# Altium PCB OCP-TimeCardMini-TI_V1.PcbDoc (part 4 of 11) (continued)
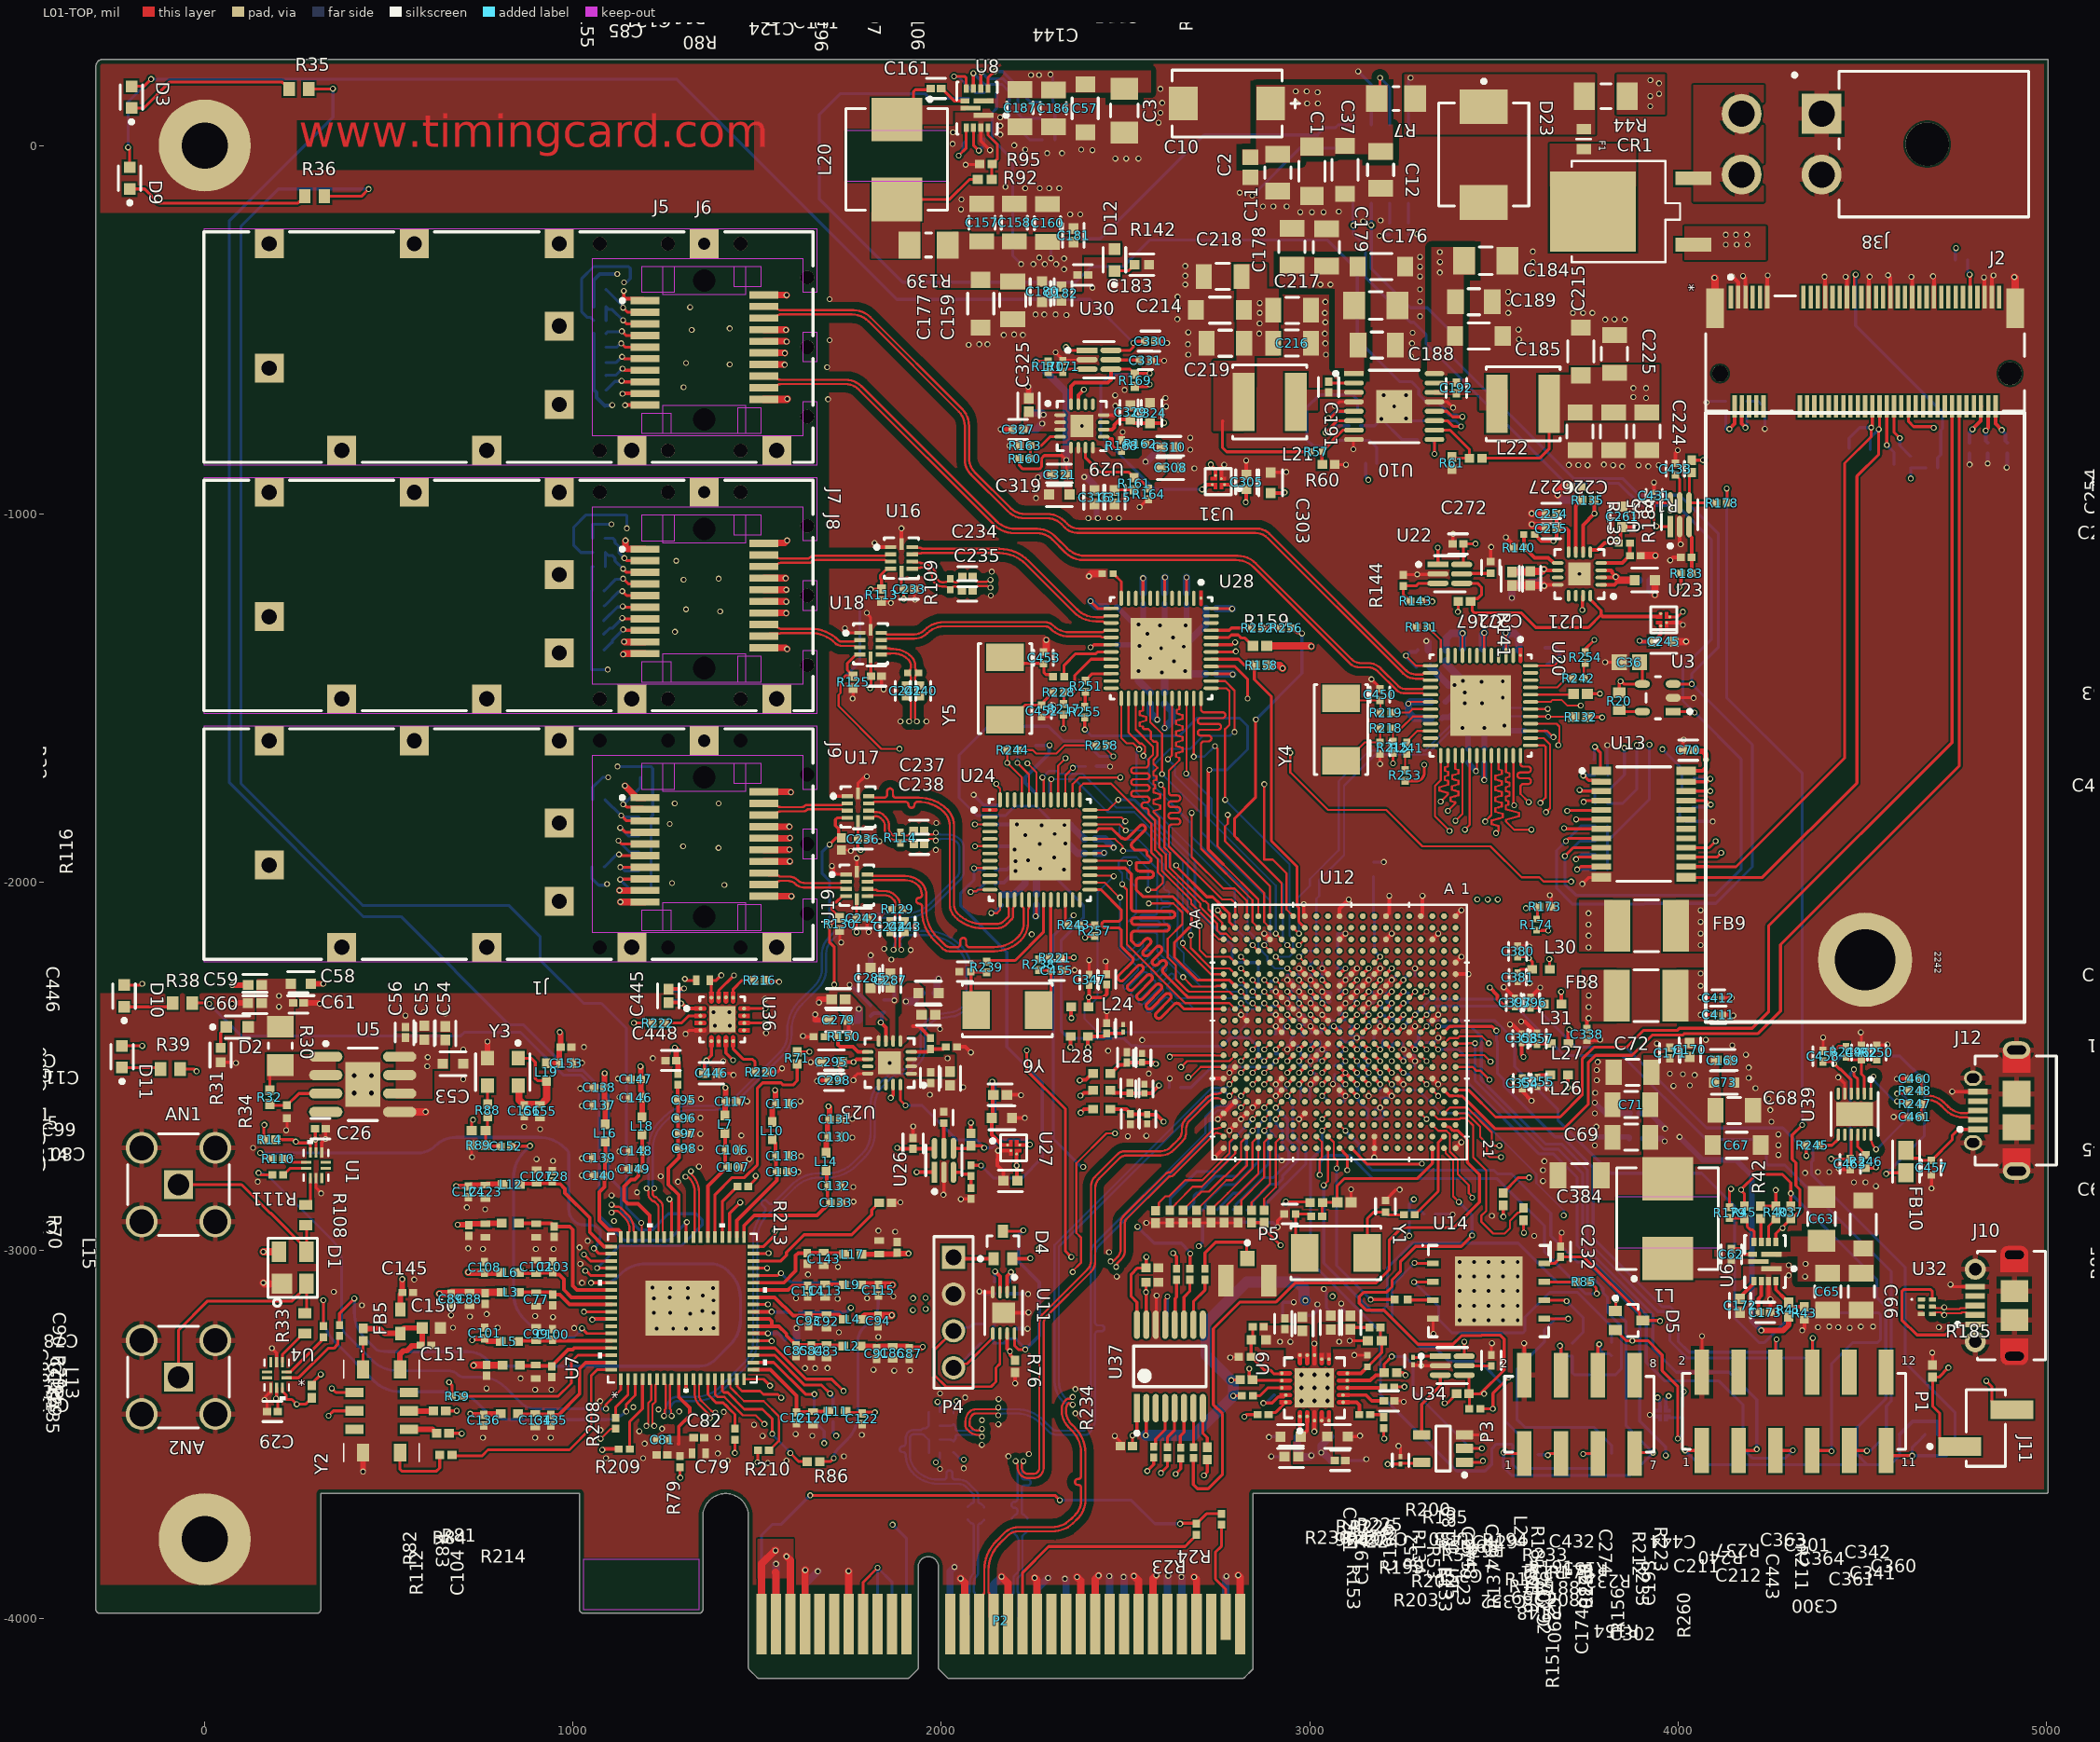
[diagram p0: L01-TOP view]
## Nets (pads, with @x,y where several pads share a name; then routed paths per layer and width w, separated by ;. In a path a pad name is that pad's centre, name@x,y a point inside that pad or via, vN(x,y) a via of type N, cw(c..) or ccw(c..) an arc to the next point about the centre after c; other vN are vias at no path point) (continued)
CPSW_RGMII1_TD3: U12.AA14 U20.25 | length 2276.6
  L01-TOP w5.8: v2(2670.22,-2529.9) 2676.22,-2529.9 2704.32,-2501.8 U12.AA14@2766.26,-2501.8 ; U20.25@3355.67,-1656.36 3355.67,-1723.14 3339.93,-1738.88 3339.93,-1821.13 v1(3379.73,-1860.93)
  L08-SIG w5.8: v2(2670.22,-2529.9) 2646.62,-2529.9 2562.46,-2445.74 2562.46,-2432.16 2561.61,-2431.31 2561.61,-2398.94 2561.61,-2396.04 ccw(c2553.71,-2396.04) 2553.71,-2388.14 2547.33,-2388.14 cw(c2547.33,-2380.24) 2547.33,-2372.34 2553.71,-2372.34 ccw(c2553.71,-2364.44) 2553.71,-2356.54 2547.33,-2356.54 cw(c2547.33,-2348.64) 2547.33,-2340.74 2553.71,-2340.74 ccw(c2553.71,-2332.84) 2553.71,-2324.94 2547.33,-2324.94 cw(c2547.33,-2317.04) 2547.33,-2309.14 2553.71,-2309.14 ccw(c2553.71,-2301.24) 2553.71,-2293.34 2547.33,-2293.34 cw(c2547.33,-2285.44) 2547.33,-2277.54 2553.71,-2277.54 ccw(c2553.71,-2269.64) 2553.71,-2261.74 2547.33,-2261.74 cw(c2547.33,-2253.84) 2547.33,-2245.94 2553.71,-2245.94 ccw(c2553.71,-2238.04) 2553.71,-2230.14 2547.33,-2230.14 cw(c2547.33,-2222.24) 2547.33,-2214.34 2553.71,-2214.34 ccw(c2553.71,-2206.44) 2561.61,-2206.44 2561.61,-2184.11 2562.46,-2183.26 2562.46,-2181.53 2562.46,-2174.03 2950.91,-1785.57 2967.48,-1785.57 2970.38,-1785.57 ccw(c2970.38,-1777.67) 2978.28,-1777.67 2978.28,-1772.15 cw(c2986.18,-1772.15) 2994.08,-1772.15 2994.08,-1785.4 ccw(c3001.98,-1785.4) 3009.88,-1785.4 3009.88,-1773.64 cw(c3017.78,-1773.64) 3025.68,-1773.64 3025.68,-1785.4 ccw(c3033.58,-1785.4) 3041.48,-1785.4 3041.48,-1774.18 cw(c3049.38,-1774.18) 3057.28,-1774.18 3057.28,-1785.4 ccw(c3065.18,-1785.4) 3073.08,-1785.4 3073.08,-1772.15 cw(c3080.98,-1772.15) 3088.88,-1772.15 3088.88,-1785.4 ccw(c3096.78,-1785.4) 3104.68,-1785.4 3104.68,-1773.64 cw(c3112.58,-1773.64) 3120.48,-1773.64 3120.48,-1785.4 ccw(c3128.38,-1785.4) 3136.28,-1785.4 3136.28,-1774.19 cw(c3144.18,-1774.19) 3152.08,-1774.19 3152.08,-1785.4 ccw(c3159.98,-1785.4) 3167.88,-1785.4 3167.88,-1772.15 cw(c3175.78,-1772.15) 3183.68,-1772.15 3183.68,-1785.4 ccw(c3191.58,-1785.4) 3199.48,-1785.4 3199.48,-1771.57 cw(c3207.38,-1771.57) 3215.28,-1771.57 3215.28,-1777.67 ccw(c3223.18,-1777.67) 3223.18,-1785.57 3263.19,-1785.57 3311.63,-1785.57 3377.77,-1851.72 3377.77,-1858.98 v1(3379.73,-1860.93)
CPSW_RGMII1_TX_CTL: U12.U15 U20.37 | length 2254.6
  L01-TOP w5.8: v2(2876.49,-2549.05) U12.U15@2892.24,-2533.3 ; U20.37@3599.79,-1628.77 3636.88,-1628.77 3640.28,-1632.17 3640.28,-1770.62 v1(3626.34,-1784.55)
  L08-SIG w5.8: v2(2876.49,-2549.05) 2892.4,-2533.14 2919.07,-2533.14 2923.67,-2528.54 2923.67,-2447.08 2891.71,-2415.12 2891.71,-2380.44 2887.71,-2376.44 2746.7,-2376.44 2732.36,-2362.1 2732.36,-2228.23 3047.21,-1913.39 3222.95,-1913.39 3305.63,-1996.06 3543.68,-1996.06 3556.62,-2009.01 3582.01,-2009.01 3593.69,-2020.68 3637.08,-2020.68 3669.29,-1988.47 3669.29,-1982.62 3669.29,-1979.72 ccw(c3661.39,-1979.72) 3661.39,-1971.82 3636.59,-1971.82 cw(c3636.59,-1963.92) 3636.59,-1956.02 3671.39,-1956.02 ccw(c3671.39,-1948.12) 3671.39,-1940.22 3636.59,-1940.22 cw(c3636.59,-1932.32) 3636.59,-1924.42 3661.39,-1924.42 ccw(c3661.39,-1916.52) 3669.29,-1916.52 3669.29,-1881.5 3669.29,-1806.4 3647.45,-1784.55 v1(3626.34,-1784.55)
CPSW_RGMII1_TXC: U12.U14 U20.29 | length 2403.9
  L01-TOP w5.8: v2(2876.49,-2517.55) U12.U14@2892.24,-2501.8 ; v1(3421.44,-1857.66) 3434.41,-1844.69 U20.29@3434.41,-1656.36
  L08-SIG w5.8: v2(2876.49,-2517.55) 2861.04,-2533.01 2861.04,-2574.09 2829.57,-2605.56 2829.57,-2620.84 2823,-2627.42 2735.68,-2627.42 2533.93,-2627.42 2471.84,-2565.32 2471.84,-2176.99 2946.04,-1702.79 3381.88,-1702.79 3421.44,-1742.34 v1(3421.44,-1857.66)
CPSW_RGMII2_MDC: U12.R2 U20.42 | length 1181.5
  L01-TOP w5.8: U12.R2@2955.18,-2123.85 v2(2970.87,-2139.62) ; U20.42@3599.79,-1530.35 3599.98,-1530.15 3646.24,-1530.15 v1(3646.43,-1529.96)
  L10-BOT w5.8: v2(2970.87,-2139.62) 2970.87,-2075.44 2967.58,-2072.14 2967.58,-2043.08 3000.17,-2010.48 3000.17,-1991.72 3078.5,-1913.39 3078.5,-1726.3 3162.25,-1642.55 3313.81,-1642.55 3418.36,-1538.01 3520.12,-1538.01 3531.22,-1526.91 3585.92,-1526.91 3588.97,-1529.96 v1(3646.43,-1529.96)
CPSW_RGMII2_MDIO: R132.1 U12.P5 U20.41 | length 1303.1
  L01-TOP w5.8: v2(2970.98,-2202.59) U12.P5@2986.73,-2218.34 ; U20.41@3599.79,-1550.03 3600.24,-1550.48 3647.01,-1550.48 v1(3647.46,-1550.93) ; v1@3647.44,-1550.6 3647.78,-1550.93 3716.29,-1550.93 R132.1@3717.1,-1551.74
  L10-BOT w5.8: v2(2970.98,-2202.59) 2986.45,-2187.12 3011.8,-2187.12 3017.92,-2181 3017.92,-2045.14 3025.7,-2037.36 3025.7,-1994.01 3093.19,-1926.52 3093.19,-1738.06 3177.9,-1653.35 3318.29,-1653.35 3421.8,-1549.84 3646.36,-1549.84 v1(3647.46,-1550.93)
CPSW_RGMII2_RD0: U12.W11
CPSW_RGMII2_RD1: U12.V11
CPSW_RGMII2_RD2: U12.AA12
CPSW_RGMII2_RD3: U12.Y12
CPSW_RGMII2_RX_CTL: U12.W12
CPSW_RGMII2_RXC: U12.U11
CPSW_RGMII2_TD0: U12.AA10
CPSW_RGMII2_TD1: U12.V10
CPSW_RGMII2_TD2: U12.U10
CPSW_RGMII2_TD3: U12.AA11
CPSW_RGMII2_TX_CTL: U12.Y11
CPSW_RGMII2_TXC: U12.Y10
CPTS0_HW1TSPUSH: R257.2 U12.V7 | length 565.1
  L01-TOP w5.8: v2(2844.93,-2265.61) U12.V7@2860.68,-2281.35
  L01-TOP w8: v1(2390.09,-2150.58) 2394.05,-2146.62 R257.2@2416.11,-2146.62
  L03-SIG w5.58: v1(2390.09,-2150.58) 2485.47,-2150.58 2553.29,-2218.39 2735.68,-2218.39 2819.28,-2218.39 2844.93,-2244.04 v2(2844.93,-2265.61)
CPTS0_HW2TSPUSH: R258.2 U12.U13 | length 2211.9
  L01-TOP w5.8: R258.2@2449.8,-1628.77 2449.8,-1641.28 v1(2466.82,-1658.29) ; v2(2876.43,-2486.1) U12.U13@2892.18,-2470.35
  L10-BOT w6.99: 2860.49,-2461.19 2860.49,-2447.42
  L10-BOT w8: v1(2466.82,-1658.29) 2428.26,-1658.29 2386.57,-1616.6 2330.53,-1616.6 2290.86,-1576.92 2126.58,-1576.92 2048.26,-1655.25 2048.26,-1771.25 2096.3,-1819.28 2174,-1819.28 2199.52,-1793.76 2258.31,-1793.76 2290.81,-1826.26 2290.81,-1881.23 2323.31,-1913.73 2323.31,-1949.88 2315.49,-1957.71 2315.49,-1993 2385.72,-2063.24 2385.72,-2097.24 2325.71,-2157.25 2325.71,-2404.15 2345.74,-2424.17 2495.73,-2424.17 2515.75,-2444.2 2533.16,-2444.2 2534.62,-2445.66 2762.09,-2445.66 2785.5,-2422.25 2835.32,-2422.25 2860.49,-2447.42 ; 2860.49,-2461.19 2860.75,-2461.44 2860.75,-2470.42 v2(2876.43,-2486.1)
CPTS0_RFT_CLK: R213.2 U12.D18 | length 2033.4
  L01-TOP w5.8: U12.D18@3301.69,-2627.79 v2(3317.44,-2643.53)
  L01-TOP w8: R213.2@1475.67,-2826.53 1495.9,-2806.3 v1(1495.9,-2797.77)
  L03-SIG w5.58: v1(1495.9,-2797.77) 1551.7,-2797.77 cw(c1551.7,-2863.98) 1598.51,-2817.16 ccw(c1621.74,-2793.93) 1621.74,-2826.78 1696.98,-2826.78 ccw(c1696.98,-2773.62) 1734.57,-2811.21 cw(c1761.99,-2838.63) 1761.99,-2799.85 1883.4,-2799.85 cw(c1883.4,-2833.78) 1907.39,-2809.79 ccw(c1923.1,-2794.08) 1923.1,-2816.3 2619.93,-2816.3 cw(c2619.93,-2916.3) 2690.64,-2845.59 2700.24,-2855.18 ccw(c2770.95,-2784.47) 2770.95,-2884.47 3072.33,-2884.47 ccw(c3072.33,-2784.47) 3143.04,-2855.18 3291.1,-2707.12 ccw(c3227.52,-2643.53) v2(3317.44,-2643.53)
CPTS0_TS_COMP: R232.1 U12.W1 | length 1999.7
  L01-TOP w5.8: v1(2679.73,-1812.05) 2679.73,-1931.61 2765.43,-2017.31 2796.22,-2017.31 2829.25,-2050.35 U12.W1@2829.18,-2092.35
  L01-TOP w8: R232.1@2674.54,-3049.97 2675.17,-3049.35 2675.17,-3009.03 v1(2675.79,-3008.4)
  L08-SIG w5.58: v1(2359.01,-2089.95) 2435.18,-2013.78 2435.18,-1981.99 2485,-1932.17 2559.6,-1932.17 v1(2679.73,-1812.05) ; v1(2385.04,-2773.1) 2531.18,-2919.25 2531.18,-2934.22 v1(2532.57,-2935.62)
  L10-BOT w8: v1(2359.01,-2089.95) 2304.15,-2144.81 2304.15,-2697.21 2381.97,-2775.03 2383.89,-2773.1 v1(2385.04,-2773.1) ; v1(2532.57,-2935.62) 2577.27,-2980.31 2651.02,-2980.31 2662.64,-2991.93 2662.64,-2993.26 2675.79,-3006.41 v1(2675.79,-3008.4)
CPTS0_TS_SYNC: R225.1 U12.U1 | length 2599.6
  L01-TOP w5.8: v1(2777.59,-1817.31) 2777.59,-1841.51 2770.1,-1849.01 2770.1,-1888.79 2892.24,-2010.93 U12.U1@2892.18,-2092.35
  L01-TOP w8: v1(2558.93,-3598.85) 2576.32,-3581.46 R225.1@2576.32,-3562.6
  L08-SIG w5.58: v1(2558.93,-3598.85) 2464.78,-3598.85 cw(c2464.78,-3498.85) 2394.07,-3569.56 2335.29,-3510.78 cw(c2358.39,-3487.67) 2325.71,-3487.67 2325.71,-2194.67 cw(c2425.71,-2194.67) 2355,-2123.96 2370.86,-2108.1 cw(c2416.65,-2153.9) 2416.65,-2089.13 2473.2,-2089.13 2514.17,-2048.17 2514.17,-2001.17 2698.04,-1817.31 v1(2777.59,-1817.31)
DCTCXO_SCL: R120.1 U13.11 Y2.3 | length 5922.8
  L01-TOP w8: v1(336.14,-3448.87) 349.22,-3435.78 Y2.3@406.32,-3435.78 ; v1(3726.04,-1965.55) 3728.2,-1965.55 3736.08,-1957.68 U13.11@3791.9,-1957.68
  L03-SIG w5.58: v1(336.14,-3448.87) 361.74,-3423.26 361.74,-3356.56 276.95,-3271.77 276.95,-3010.99 201.42,-2935.46 201.42,-2645.81 143.35,-2587.74 -71.24,-2587.74 -94.49,-2564.49 -94.49,-2464.57 -29.6,-2399.68 342.64,-2399.68 363.79,-2378.53 999.15,-2378.53 1017.51,-2360.17 1019.94,-2360.17 1042.3,-2337.81 1215.72,-2337.81 1248.37,-2370.46 1300.59,-2370.46 1383.53,-2453.4 1568.93,-2453.4 1620.11,-2504.58 1726.34,-2504.58 1741.5,-2519.74 2256.01,-2519.74 2373.9,-2401.84 2719.86,-2401.84 2736.54,-2418.52 2784.32,-2418.52 2784.74,-2418.94 2865.22,-2418.94 2865.65,-2418.52 2888.67,-2418.52 2891.94,-2415.25 2891.94,-2221.78 2895.2,-2218.51 3069.91,-2218.51 3073.18,-2215.24 3073.18,-2061.85 3073.18,-2020.68 3084.86,-2009.01 3650.33,-2009.01 3693.79,-1965.55 v1(3726.04,-1965.55)
  L10-BOT w8: v1(3726.04,-1965.55) R120.1@3775.17,-1965.55
DCTCXO_SDA: R119.1 U13.10 Y2.2 | length 5954.4
  L01-TOP w8: v1(344.99,-3374.7) 356.07,-3385.78 Y2.2@406.32,-3385.78 ; v1(3723.16,-1937.88) 3728.96,-1932.09 U13.10@3791.9,-1932.09
  L03-SIG w5.58: v1(344.99,-3374.7) 328.6,-3358.3 276.95,-3358.3 262.55,-3343.9 262.55,-3034.53 185.72,-2957.71 185.72,-2645.07 149.3,-2608.65 -82.73,-2608.65 -112.69,-2578.69 -112.69,-2455.36 -34.61,-2377.28 327.22,-2377.28 375.21,-2329.29 795.13,-2329.29 820.94,-2355.1 1007.62,-2355.1 1040.56,-2322.16 1229.31,-2322.16 1262.25,-2355.1 1308.24,-2355.1 1390.06,-2436.92 1674.58,-2436.92 1743.27,-2505.6 1840.2,-2505.6 1842.78,-2508.19 2248.16,-2508.19 2376.37,-2379.97 2759.32,-2379.97 2788.71,-2409.36 2861.26,-2409.36 2861.26,-2187.46 3059.48,-2187.46 3059.48,-2009.01 3073.18,-1995.3 3633.16,-1995.3 3670.24,-1958.23 3686.15,-1958.23 3706.49,-1937.88 v1(3723.16,-1937.88)
  L10-BOT w8: v1(3723.16,-1937.88) 3724.11,-1937.88 3737.78,-1924.21 R119.1@3775.17,-1924.21
DDR0_A0: U12.D2
DDR0_A1: U12.C5
DDR0_A2: U12.E2
DDR0_A3: U12.D4
DDR0_A4: U12.D3
DDR0_A5: U12.F2
DDR0_A6: U12.J2
DDR0_A7: U12.L5
DDR0_A8: U12.J3
DDR0_A9: U12.J4
DDR0_A10: U12.K3
DDR0_A11: U12.J1
DDR0_A12: U12.M5
DDR0_A13: U12.K4
DDR0_ACT_N: U12.H2
DDR0_ALERT_N: U12.H1
DDR0_BA0: U12.G4
DDR0_BA1: U12.G5
DDR0_BG0: U12.G2
DDR0_BG1: U12.H3
DDR0_CAL0: R66.2 U12.H5 | length 247.2
  L01-TOP w5.8: U12.H5@3175.71,-2218.34 v2(3191.45,-2202.59)
  L10-BOT w6.99: 3175.45,-2177.72 3175.45,-2100.97
  L10-BOT w8: R66.2@3173.23,-1985.24 3173.23,-2061.85 3173.23,-2098.74 3175.45,-2100.97 ; 3175.45,-2177.72 3175.96,-2178.23 3175.96,-2187.1 v2(3191.45,-2202.59)
DDR0_CAS_N: U12.J5
DDR0_CK0: U12.F1
DDR0_CK0_N: U12.E1
DDR0_CKE0: U12.F4
DDR0_CKE1: U12.F3
DDR0_CS0_N: U12.E3
DDR0_CS1_N: U12.E4
DDR0_DM0: U12.B2
DDR0_DM1: U12.M2
DDR0_DQ0: U12.A3
DDR0_DQ1: U12.A2
DDR0_DQ2: U12.B5
DDR0_DQ3: U12.A4
DDR0_DQ4: U12.B3
DDR0_DQ5: U12.C4
DDR0_DQ6: U12.C2
DDR0_DQ7: U12.B4
DDR0_DQ8: U12.N5
DDR0_DQ9: U12.L4
DDR0_DQ10: U12.L2
DDR0_DQ11: U12.M3
DDR0_DQ12: U12.N4
DDR0_DQ13: U12.N3
DDR0_DQ14: U12.M4
DDR0_DQ15: U12.N2
DDR0_DQS0: U12.C1
DDR0_DQS0_N: U12.B1
DDR0_DQS1: U12.N1
DDR0_DQS1_N: U12.M1
DDR0_ODT0: U12.E5
DDR0_ODT1: U12.F5
DDR0_PAR: U12.K5
DDR0_RAS_N: U12.F6
DDR0_RESET0_N: U12.D5
DDR0_WE_N: U12.H4
DPLL_CLKIN_0_N: R208.2 U7.2 | length 118.8
  L01-TOP w7.27: R208.2@1115.86,-3454.6 1115.86,-3425.53 1149.2,-3392.18 U7.2@1149.2,-3349.59
DPLL_CLKIN_0_P: R111.2 U7.1 | length 1452.1
  L01-TOP w7.27: v1(1089.45,-3429.76) 1089.45,-3418.23 1129.51,-3378.16 U7.1@1129.51,-3349.59
  L01-TOP w8: v1(146.11,-2789.45) 151.48,-2794.82 R111.2@183.78,-2794.82
  L10-BOT w7.27: v1(146.11,-2789.45) cw(c146.11,-2832.97) 176.88,-2802.2 342.76,-2968.07 cw(c272.05,-3038.78) 372.05,-3038.78 372.05,-3200.57 ccw(c409.11,-3200.57) 382.9,-3226.77 453.61,-3297.48 ccw(c524.32,-3226.77) 524.32,-3326.77 662.71,-3326.77 cw(c662.71,-3360.69) 686.69,-3336.71 ccw(c704.97,-3318.43) 704.97,-3344.28 749.74,-3344.28 cw(c749.74,-3438.34) 816.25,-3371.83 857.36,-3412.94 ccw(c897.96,-3372.33) 897.96,-3429.76 v1(1089.45,-3429.76)
DPLL_CLKIN_1_N: R209.2 U7.4 | length 204.2
  L01-TOP w8: R209.2@1153.68,-3539.36 1153.68,-3465.01 1188.58,-3430.1 U7.4@1188.58,-3349.59
DPLL_CLKIN_1_P: R122.2 U7.3 | length 1161.7
  L01-TOP w7.27: v1(1144.2,-3437.26) 1144.2,-3418.23 1168.89,-3393.54 U7.3@1168.89,-3349.59
  L01-TOP w8: R122.2@322.04,-3205.74 v1(322.04,-3135.11)
  L10-BOT w8: v1(322.04,-3135.11) 322.04,-3175.31 ccw(c422.04,-3175.31) 351.33,-3246.02 459.67,-3354.36 ccw(c530.38,-3283.65) 530.38,-3383.65 668.49,-3383.65 cw(c668.49,-3483.65) 739.2,-3412.94 757.26,-3430.99 ccw(c826.16,-3362.09) 826.16,-3459.53 1090.42,-3459.53 ccw(c1090.42,-3383.48) v1(1144.2,-3437.26)
DPLL_CLKIN_2_N: C241.1 U7.6 | length 2773.7
  L01-TOP w6: v1(1220.36,-3476.38) 1215.6,-3476.38 1215.6,-3418.9 1223.86,-3410.64 1223.86,-3364.69 1227.96,-3360.59 U7.6@1227.96,-3349.59 ; C241.1@1902.52,-1494.66 ccw(c1905.8,-1494.66) 1903.48,-1496.97 1908.13,-1501.62 ccw(c1911.7,-1498.05) 1911.7,-1503.1 cw(c1911.7,-1508.14) 1915.26,-1504.57 cw(c1910.35,-1509.49) 1917.3,-1509.49 1917.3,-1552.09 cw(c1901.07,-1552.09) v1(1912.55,-1563.57)
  L08-SIG w4: v1@1218.12,-3481.86 ccw(c1223.52,-3487.27) 1215.88,-3487.27 1215.88,-3491.91 ccw(c1232.58,-3491.91) 1220.77,-3503.71 ccw(c1255.31,-3469.18) 1255.31,-3518.02 1255.96,-3518.02 ccw(c1255.96,-3468.31) 1291.11,-3503.46 1310.4,-3484.16 ccw(c1305.52,-3479.28) 1312.43,-3479.28 1312.43,-3432.75 ccw(c1298.6,-3432.75) 1308.38,-3422.98 1298.51,-3413.1 cw(c1367.37,-3344.24) 1269.99,-3344.24 1269.99,-3344.13 cw(c1329.38,-3344.13) 1287.38,-3302.13 1301.89,-3287.62 cw(c1365.59,-3351.32) 1365.59,-3261.24 1380.48,-3261.24 ccw(c1380.48,-3223.52) 1407.16,-3250.19 1421.51,-3235.84 ccw(c1350.8,-3165.13) 1428.54,-3228.02 ccw(c1350.8,-3165.13) 1450.8,-3165.13 1450.8,-3071.06 cw(c1562.72,-3071.06) 1483.58,-2991.91 1492.15,-2983.34 cw(c1514.17,-3005.35) 1514.17,-2974.22 1685.15,-2974.22 ccw(c1685.15,-2874.22) 1755.86,-2944.93 1795.29,-2905.5 1795.32,-2905.46 ccw(c1748.38,-2858.46) 1814.81,-2858.45 1814.81,-2858.39 1814.81,-2821.43 1814.81,-2736.62 ccw(c1807.81,-2736.62) 1807.81,-2729.62 1797.32,-2729.62 cw(c1797.32,-2722.62) 1797.32,-2715.62 1807.81,-2715.62 ccw(c1807.81,-2708.62) 1814.81,-2708.62 1814.81,-2692.62 1814.81,-2591.98 cw(c1855.88,-2591.98) 1826.84,-2562.94 1832.01,-2557.77 cw(c1880.19,-2605.94) 1880.19,-2537.81 ; 1880.24,-2537.81 ccw(c1880.24,-2502.21) 1905.41,-2527.39 1932.53,-2500.27 1932.58,-2500.22 ccw(c1868.12,-2435.71) 1959.32,-2435.71 1959.32,-2435.63 1959.32,-2183.5 ccw(c1867.94,-2183.5) 1932.45,-2118.78 1928.9,-2115.23 1926.11,-2111.12 cw(c1969.61,-2081.57) 1917.96,-2091.46 1917.02,-2086.56 1917.02,-2081.69 ; v1(1912.55,-1563.57) v1(1912.55,-1563.57) ccw(c1920.19,-1563.65) 1914.78,-1569.05 cw(c1909.38,-1574.45) 1917.02,-1574.45 1917.02,-2081.66
DPLL_CLKIN_2_P: C240.1 U7.5 | length 2774.6
  L01-TOP w6: v1(1199.36,-3476.38) 1204.11,-3476.38 1204.11,-3414.14 1212.37,-3405.88 1212.37,-3364.69 1208.27,-3360.59 U7.5@1208.27,-3349.59 ; v1(1933.55,-1563.57) cw(c1945.03,-1552.09) 1928.79,-1552.09 1928.79,-1509.49 cw(c1935.74,-1509.49) 1930.83,-1504.57 cw(c1934.4,-1508.14) 1934.4,-1503.1 ccw(c1934.4,-1498.05) 1937.96,-1501.62 1942.61,-1496.97 ccw(c1940.29,-1494.66) C240.1@1943.57,-1494.66
  L08-SIG w4: v1@1201.6,-3481.86 cw(c1196.19,-3487.27) 1203.83,-3487.27 1203.83,-3491.93 ccw(c1232.51,-3491.93) 1212.23,-3512.21 1212.3,-3512.28 ccw(c1255.24,-3469.34) 1255.24,-3530.07 1256.01,-3530.07 ccw(c1256.01,-3468.43) 1299.6,-3512.01 1318.97,-3492.64 ccw(c1305.68,-3479.35) 1324.47,-3479.35 1324.47,-3432.72 ccw(c1298.67,-3432.72) 1316.92,-3414.47 1307.05,-3404.6 cw(c1367.43,-3344.22) 1282.03,-3344.22 cw(c1329.6,-3344.22) 1295.97,-3310.58 1310.34,-3296.21 cw(c1365.59,-3351.32) 1365.59,-3273.29 1385.47,-3273.29 1390.34,-3272.3 ccw(c1380.48,-3223.52) 1408.01,-3264.98 1412.15,-3262.24 1416.02,-3258.36 1430.06,-3244.33 ccw(c1350.91,-3165.18) 1440.59,-3232.16 ccw(c1350.91,-3165.18) 1462.84,-3165.18 1462.84,-3071.11 cw(c1562.84,-3071.11) 1492.13,-3000.4 1500.65,-2991.88 cw(c1514.19,-3005.42) 1514.19,-2986.27 1685.2,-2986.27 ccw(c1685.2,-2874.34) 1764.34,-2953.48 1803.87,-2913.95 ccw(c1748.38,-2858.46) 1826.86,-2858.46 1826.86,-2592.01 cw(c1855.94,-2592.01) 1835.38,-2571.44 1840.49,-2566.32 cw(c1880.24,-2606.06) 1880.24,-2549.86 ; 1880.28,-2549.86 ccw(c1880.28,-2502.33) 1913.9,-2535.94 1941.12,-2508.71 ccw(c1868.12,-2435.71) 1971.36,-2435.71 1971.36,-2183.5 ccw(c1867.94,-2183.5) 1941.07,-2110.36 1940.94,-2110.24 cw(c1969.61,-2081.57) 1929.07,-2081.57 1929.07,-1574.45 cw(c1936.71,-1574.45) 1931.31,-1569.05 ccw(c1925.9,-1563.65) v1(1933.55,-1563.57) v1(1933.55,-1563.57)
DPLL_CLKIN_3_N: C244.1 U7.8 | length 2140.9
  L01-TOP w6: U7.8@1267.34,-3349.59 1267.34,-3360.59 1263.24,-3364.69 1263.24,-3430.1 1266.09,-3432.94 1266.09,-3447.31 v1(1268,-3449.22) ; C244.1@1860.26,-2135.54 ccw(c1863.54,-2135.54) 1861.22,-2137.86 1871.82,-2148.45 cw(c1864.34,-2155.93) 1874.91,-2155.93 1874.91,-2172.31 cw(c1865.21,-2172.31) 1872.07,-2179.17 ccw(c1876.69,-2183.79) v1(1870.16,-2183.79)
  L10-BOT w6: v1(1268,-3449.22) ccw(c1261.47,-3449.22) 1266.09,-3444.6 cw(c1272.95,-3437.74) 1263.24,-3437.74 1263.24,-3436.36 cw(c1296.37,-3436.36) 1272.95,-3412.94 cw(c1282.08,-3422.07) 1282.08,-3409.16 1330.74,-3409.16 ccw(c1330.74,-3297.78) 1409.49,-3376.53 1472.92,-3313.11 ccw(c1406.81,-3247) 1500.3,-3247 1500.3,-2968.67 cw(c1590.32,-2968.67) 1526.67,-2905.02 1602.21,-2829.48 cw(c1668.48,-2895.75) 1668.48,-2802.03 1690.46,-2802.03 ccw(c1690.46,-2690.65) 1769.22,-2769.4 1792.21,-2746.41 ccw(c1726.99,-2681.19) 1819.23,-2681.19 1819.22,-2606.3 cw(c1891.49,-2606.3) 1840.39,-2555.2 1863.8,-2531.79 cw(c1889.68,-2557.66) 1889.68,-2521.07 1889.79,-2521.07 ccw(c1889.79,-2470.88) 1925.28,-2506.37 1938.04,-2493.61 ccw(c1896,-2451.57) 1955.45,-2451.57 1955.45,-2412.36 cw(c1990.62,-2412.36) 1965.64,-2387.59 1969.74,-2383.54 cw(c1973.96,-2387.8) 1969.86,-2383.42 cw(c2008.67,-2424.88) 2000.97,-2368.61 2033.25,-2364.09 2037.21,-2364.08 2047.65,-2358.76 ccw(c2008.77,-2282.38) 2062.36,-2349.26 2066.04,-2346.32 2072.73,-2339.63 ccw(c2055.1,-2321.96) 2077.73,-2332.49 2078.6,-2329.67 2079.36,-2327.16 2079.36,-2230.05 2078.86,-2225.48 ccw(c1992.64,-2234.81) 2057.29,-2177.01 2056.04,-2175.61 ; v1(1870.16,-2183.79) ccw(c1865.54,-2179.17) v1@1872.07,-2179.18 ; v1@1872.07,-2179.17 1872.07,-2171.72 cw(c1883.05,-2171.72) 1875.29,-2163.96 1875.29,-2163.42 cw(c1901.75,-2163.42) 1883.04,-2144.71 1890.6,-2137.15 cw(c1901.57,-2148.13) 1901.57,-2132.61 1962.04,-2132.61 1966.61,-2132.93 cw(c1957.28,-2267.21) 2045.67,-2165.69 2049.15,-2168.72 2052.56,-2172.13 cw(c1992.44,-2235.09) 2055.41,-2174.97 2056.03,-2175.6
DPLL_CLKIN_3_P: C243.1 U7.7 | length 2141.1
  L01-TOP w6: v1(1247,-3449.22) 1248.91,-3447.31 1248.91,-3432.94 1251.75,-3430.1 1251.75,-3364.69 1247.65,-3360.59 U7.7@1247.65,-3349.59 ; v1(1891.16,-2183.79) ccw(c1884.63,-2183.79) 1889.25,-2179.17 cw(c1896.11,-2172.31) 1886.4,-2172.31 1886.4,-2155.93 cw(c1896.98,-2155.93) 1889.5,-2148.45 1900.1,-2137.86 ccw(c1897.78,-2135.54) C243.1@1901.05,-2135.54
  L10-BOT w6: v1(1247,-3449.22) cw(c1253.53,-3449.22) 1248.91,-3444.6 ccw(c1242.05,-3437.74) 1251.75,-3437.74 1251.75,-3436.3 cw(c1296.22,-3436.3) 1251.75,-3436.21 cw(c1296.22,-3436.3) 1264.78,-3404.86 1264.88,-3404.76 cw(c1281.99,-3421.87) 1281.99,-3397.67 1330.69,-3397.67 ccw(c1330.69,-3297.67) 1401.4,-3368.38 1464.68,-3305.1 ccw(c1406.43,-3246.84) 1488.81,-3246.84 1488.81,-2968.62 cw(c1590.21,-2968.62) 1518.51,-2896.92 1520.63,-2894.8 ccw(c1514.97,-2889.15) 1520.63,-2883.49 1513.99,-2876.85 cw(c1519.65,-2871.2) 1513.99,-2865.54 cw(c1519.65,-2871.2) 1525.31,-2865.54 1531.95,-2872.18 ccw(c1537.6,-2866.52) 1543.26,-2872.18 1594.17,-2821.27 1596.3,-2819.19 cw(c1668.36,-2895.46) 1598.51,-2817.16 cw(c1668.36,-2895.46) 1668.36,-2790.54 1690.41,-2790.54 ccw(c1690.41,-2690.54) 1761.12,-2761.25 1784.05,-2738.32 ccw(c1726.88,-2681.15) 1807.74,-2681.15 1807.74,-2606.23 cw(c1891.34,-2606.23) 1832.22,-2547.12 1855.76,-2523.58 cw(c1889.57,-2557.39) 1889.57,-2509.58 1889.68,-2509.58 ccw(c1889.68,-2470.61) 1917.23,-2498.17 1929.82,-2485.57 ccw(c1895.69,-2451.44) 1943.96,-2451.44 1943.96,-2412.31 cw(c1990.51,-2412.31) 1957.59,-2379.39 cw(c1989.73,-2407.92) 1960.91,-2376.05 1961.2,-2375.78 1962.04,-2375 cw(c2008.67,-2424.88) 1999.3,-2357.24 2032.45,-2352.6 2033.04,-2352.52 ccw(c2008.77,-2282.38) 2061.24,-2334.87 ; v1@1889.25,-2179.18 ccw(c1895.78,-2179.17) v1(1891.16,-2183.79) ; v1@1889.25,-2179.17 1889.25,-2169.43 ccw(c1883.8,-2169.43) 1887.65,-2165.58 cw(c1889.76,-2163.47) 1886.78,-2163.47 cw(c1901.86,-2163.47) 1891.19,-2152.8 1898.69,-2145.31 cw(c1901.62,-2148.24) 1901.62,-2144.1 1957.29,-2144.1 cw(c1957.28,-2267.21) 2044.29,-2180.1 2044.36,-2180.17 ccw(c2052.5,-2172.07) 2044.54,-2180.35 cw(c1992.44,-2235.09) 2048.12,-2184 cw(c1992.64,-2234.81) 2067.87,-2234.81 2067.87,-2322.4 cw(c2052.31,-2322.11) 2065.08,-2331.01 cw(c2055.1,-2321.96) 2064.66,-2331.46 2061.28,-2334.83 ; 2061.24,-2334.87 ccw(c2008.77,-2282.38) 2061.28,-2334.83
DPLL_CLKIN_4_N: R205.2 U7.12 | length 966.2
  L01-TOP w6: U7.12@1346.1,-3349.59 1346.1,-3357.69 cw(c1339.1,-3357.69) 1344.05,-3362.64 ccw(c1349,-3367.59) 1342,-3367.59 1342,-3392.04 ccw(c1366.22,-3392.04) 1349.1,-3409.16 1375.54,-3435.6 ccw(c1381.28,-3429.86) 1381.28,-3437.98 1381.94,-3437.98 cw(c1381.94,-3444.51) v1(1386.56,-3439.89)
  L08-SIG w4: v1(1386.56,-3439.89) 1386.5,-3439.83 ccw(c1381.09,-3445.24) 1381.09,-3437.6 cw(c1381.09,-3429.95) 1375.69,-3435.36 1373.34,-3433.01 cw(c1393.87,-3412.48) 1364.84,-3412.48 cw(c1417.46,-3412.48) 1380.24,-3375.29 1385.48,-3370.05 cw(c1413.83,-3398.39) 1413.83,-3358.31 1439.55,-3358.31 cw(c1439.55,-3407.11) 1474.06,-3372.6 1536.39,-3434.94 ccw(c1615.49,-3355.84) 1615.49,-3467.7 1658.99,-3467.7 1674.99,-3467.7 cw(c1674.99,-3474.7) 1681.99,-3474.7 1681.99,-3483.49 ccw(c1688.99,-3483.49) 1695.99,-3483.49 1695.99,-3474.7 cw(c1702.99,-3474.7) 1702.99,-3467.7 1770.45,-3467.7 1806.29,-3467.7 cw(c1806.29,-3516.07) 1840.49,-3481.86 1840.56,-3481.93 ccw(c1876.16,-3446.33) 1876.16,-3496.67 1949.51,-3496.67 1955.78,-3502.94 cw(c1885.07,-3573.65) 1985.07,-3573.65 v1(1985.07,-3575.6)
  L10-BOT w6: v1(1985.07,-3575.6) 1995.87,-3564.8 R205.2@1995.87,-3549.2
DPLL_CLKIN_4_P: R204.2 U7.11 | length 966.2
  L01-TOP w6: U7.11@1326.41,-3349.59 1326.41,-3357.69 ccw(c1333.41,-3357.69) 1328.46,-3362.64 cw(c1323.51,-3367.59) 1330.51,-3367.59 1330.51,-3392.06 ccw(c1366.16,-3392.06) 1340.95,-3417.26 1367.42,-3443.73 cw(c1361.68,-3449.47) 1369.79,-3449.47 1369.79,-3450.12 ccw(c1376.33,-3450.12) v1(1371.71,-3454.74)
  L08-SIG w4: v1(1371.71,-3454.74) 1371.65,-3454.68 cw(c1377.05,-3449.28) 1369.41,-3449.28 ccw(c1361.77,-3449.28) 1367.18,-3443.88 1364.78,-3441.48 cw(c1393.71,-3412.55) 1352.79,-3412.55 1352.79,-3412.43 cw(c1417.34,-3412.43) 1371.7,-3366.8 1377.02,-3361.47 cw(c1413.74,-3398.19) 1413.74,-3346.26 1439.65,-3346.26 cw(c1439.65,-3406.87) 1482.51,-3364.01 1544.86,-3426.36 ccw(c1615.57,-3355.65) 1615.57,-3455.65 1806.33,-3455.65 cw(c1806.33,-3515.97) 1848.99,-3473.32 ; 1849.01,-3473.34 ccw(c1876.25,-3446.11) 1876.25,-3484.63 1949.51,-3484.63 1966.07,-3468.07 ccw(c1909.38,-3411.39) v1(1989.55,-3411.39)
  L10-BOT w6: v1(1989.55,-3411.39) 1995.87,-3417.71 R204.2@1995.87,-3438.75
DPLL_CLKIN_5_N: R224.1 U7.14 | length 1566.4
  L01-TOP w6: U7.14@1385.48,-3349.59 1385.48,-3390.5 1392.98,-3398 1411.32,-3398 1460.91,-3447.6 1495.9,-3447.6 v1(1519.6,-3471.3)
  L01-TOP w8: v1(2712.91,-3610.93) 2722.02,-3601.82 R224.1@2722.02,-3567.91
  L03-SIG w5.58: v1(1519.6,-3471.3) cw(c1519.6,-3533.17) 1563.35,-3489.42 1595.02,-3521.09 ccw(c1611.44,-3504.68) 1611.44,-3527.89 cw(c1611.44,-3555.7) 1631.11,-3536.04 1682.49,-3587.43 ccw(c1753.21,-3516.72) 1753.21,-3616.72 2446.81,-3616.72 cw(c2446.81,-3675.24) 2488.19,-3633.86 2502.21,-3647.88 ccw(c2572.92,-3577.17) 2572.92,-3677.17 2677.17,-3677.17 ccw(c2677.17,-3658.16) 2690.61,-3671.6 2708.66,-3653.54 ccw(c2698.42,-3643.3) 2712.91,-3643.3 v1(2712.91,-3610.93)
DPLL_CLKIN_5_N_SEL0: R234.1 U12.W5 U37.1 | length 6184.7
  L01-TOP w5.8: v2(2813.5,-2202.59) U12.W5@2829.25,-2218.34 ; v1(2947.18,-1648.7) 2947.18,-1701.81 3049.47,-1804.1 3207.81,-1804.1 3306.22,-1902.51 3490.74,-1902.51 3575.3,-1987.07 3623.5,-1987.07 3634.94,-1998.51 v1(3709.91,-1998.51)
  L01-TOP w8: R234.1@2519.03,-3531.02 v1(2519.03,-3502.51) 2530.84,-3490.7 U37.1@2530.84,-3428.12
  L03-SIG w5.8: v1(2519.03,-3502.51) 2556.69,-3464.85 2738.67,-3464.85 2765.41,-3491.58 2827.85,-3491.58 2889.24,-3430.2 3163.27,-3430.2 3204.3,-3389.17 3374.7,-3389.17 3393.96,-3408.43 3640.22,-3408.43 3646.65,-3414.85 3874.98,-3414.85 3927.1,-3362.74 3999.36,-3362.74 4209.49,-3152.61 4387.01,-3152.61 4581.44,-2958.18 4581.44,-2731.21 4484.91,-2634.67 4182.95,-2634.67 4153.31,-2664.31 4041.39,-2664.31 3889.22,-2512.14 3889.22,-2301.54 3833.35,-2245.68 3833.35,-2030.71 3791.6,-1988.95 3733.76,-1988.95 3726.15,-1996.56 3711.87,-1996.56 v1(3709.91,-1998.51) ; v2(2813.5,-2202.59) 2813.5,-2040.07 3068,-1785.57 3183.14,-1785.57 3243.73,-1724.98 3245.89,-1724.98 3248.09,-1722.78 3248.09,-1653.35 3243.47,-1648.73 v1(2947.18,-1648.7)
DPLL_CLKIN_5_N_SEL1: R235.1 U12.R1 U37.16 | length 2559.9
  L01-TOP w5.8: v1(2356.59,-3058.55) 2356.59,-3056.23 2378.79,-3034.03 2378.79,-2964.57 2366.38,-2952.16 2366.38,-2763.95 2448.14,-2682.19 v1(2471.52,-2682.19) ; v1(2876.49,-1734.11) 2876.49,-1939.04 2899.99,-1939.04 2936.91,-1975.97 2936.91,-2074.09 U12.R1@2955.18,-2092.35
  L01-TOP w8: U37.16@2530.84,-3201.71 2530.84,-3140.59 2515.31,-3125.06 2515.31,-3064.73 2532.57,-3047.47 R235.1@2555.65,-3047.47 2556.43,-3046.69 v1(2556.43,-3017.71)
  L03-SIG w5.8: v1(2356.59,-3058.55) 2413.98,-3058.55 2459.61,-3104.18 2498.94,-3104.18 2556.43,-3046.69 v1(2556.43,-3017.71)
  L08-SIG w5.8: v1(2471.52,-2682.19) 2424.22,-2634.89 2424.22,-2157.53 2527.71,-2054.04 2527.71,-2006.33 2679.73,-1854.31 2679.73,-1850.85 2693.86,-1836.72 2795.93,-1836.72 2811.47,-1821.18 2811.47,-1799.13 v1(2876.49,-1734.11)
DPLL_CLKIN_5_N_SEL2: R236.1 U12.Y5 U37.15 | length 2032.6
  L01-TOP w5.8: v3(2700.96,-2118.79) 2700.96,-2184.2 2719.35,-2202.59 2782.01,-2202.59 U12.Y5@2797.75,-2218.34
  L01-TOP w8: R236.1@2555.65,-3086.39 v1(2555.65,-3113.28) 2556.43,-3114.06 U37.15@2556.43,-3201.71
  L03-SIG w5.8: v1(2245.36,-2141.34) 2260.63,-2126.07 2365.49,-2126.07 2370,-2130.58 2586.1,-2130.58 2597.89,-2118.79 v3(2700.96,-2118.79) ; v1(2265.27,-2994.38) 2394.77,-3123.89 2542.64,-3123.89 2553.25,-3113.28 v1(2555.65,-3113.28)
  L08-SIG w5.8: v1(2245.36,-2141.34) 2245.36,-2379.99 2206.3,-2419.04 2206.3,-2502.85 2251.97,-2548.51 2251.97,-2663.56 2215.93,-2699.6 2215.93,-2732.63 2248.03,-2764.73 2248.03,-2977.15 v1(2265.27,-2994.38)
DPLL_CLKIN_5_P: R214.2 U7.13 | length 176.4
  L01-TOP w7.27: U7.13@1365.79,-3349.59 1365.79,-3391.02 1388.74,-3413.97 1408.02,-3413.97 1415.98,-3421.94 1416.03,-3421.94 1425.78,-3431.68 1425.78,-3431.73 1439.55,-3445.5 R214.2@1439.55,-3484.12
DPLL_CLKIN_6_N: R210.2 U7.16 | length 293
  L01-TOP w6: U7.16@1424.86,-3349.59 1426.86,-3351.59 1426.86,-3371.6 1464.42,-3409.16 1517.22,-3409.16 1559.45,-3451.38 1559.45,-3518.31 1557.49,-3518.31 1532.97,-3542.83 R210.2@1531.99,-3542.83
DPLL_CLKIN_6_P: R86.2 U7.15 | length 368.1
  L01-TOP w7.27: U7.15@1405.17,-3349.59 1405.17,-3381.52 1409.43,-3385.78 1419.92,-3385.78 1465.14,-3430.99 1514.56,-3430.99 1540.86,-3457.3 v1(1540.86,-3497.79) ; v1(1589.81,-3550.4) 1612.83,-3573.42 R86.2@1636.01,-3573.42
  L10-BOT w7.27: v1(1540.86,-3497.79) 1540.86,-3499.62 1589.81,-3548.57 v1(1589.81,-3550.4)
DPLL_CLKOUT0_N: U7.59 | length 76.1
  L01-TOP w8: v1(1033.1,-3055.25) 1035.26,-3055.25 1048,-3067.99 U7.59@1103.88,-3067.99